# KiCad board main_VCO_board.kicad_pcb (continued)
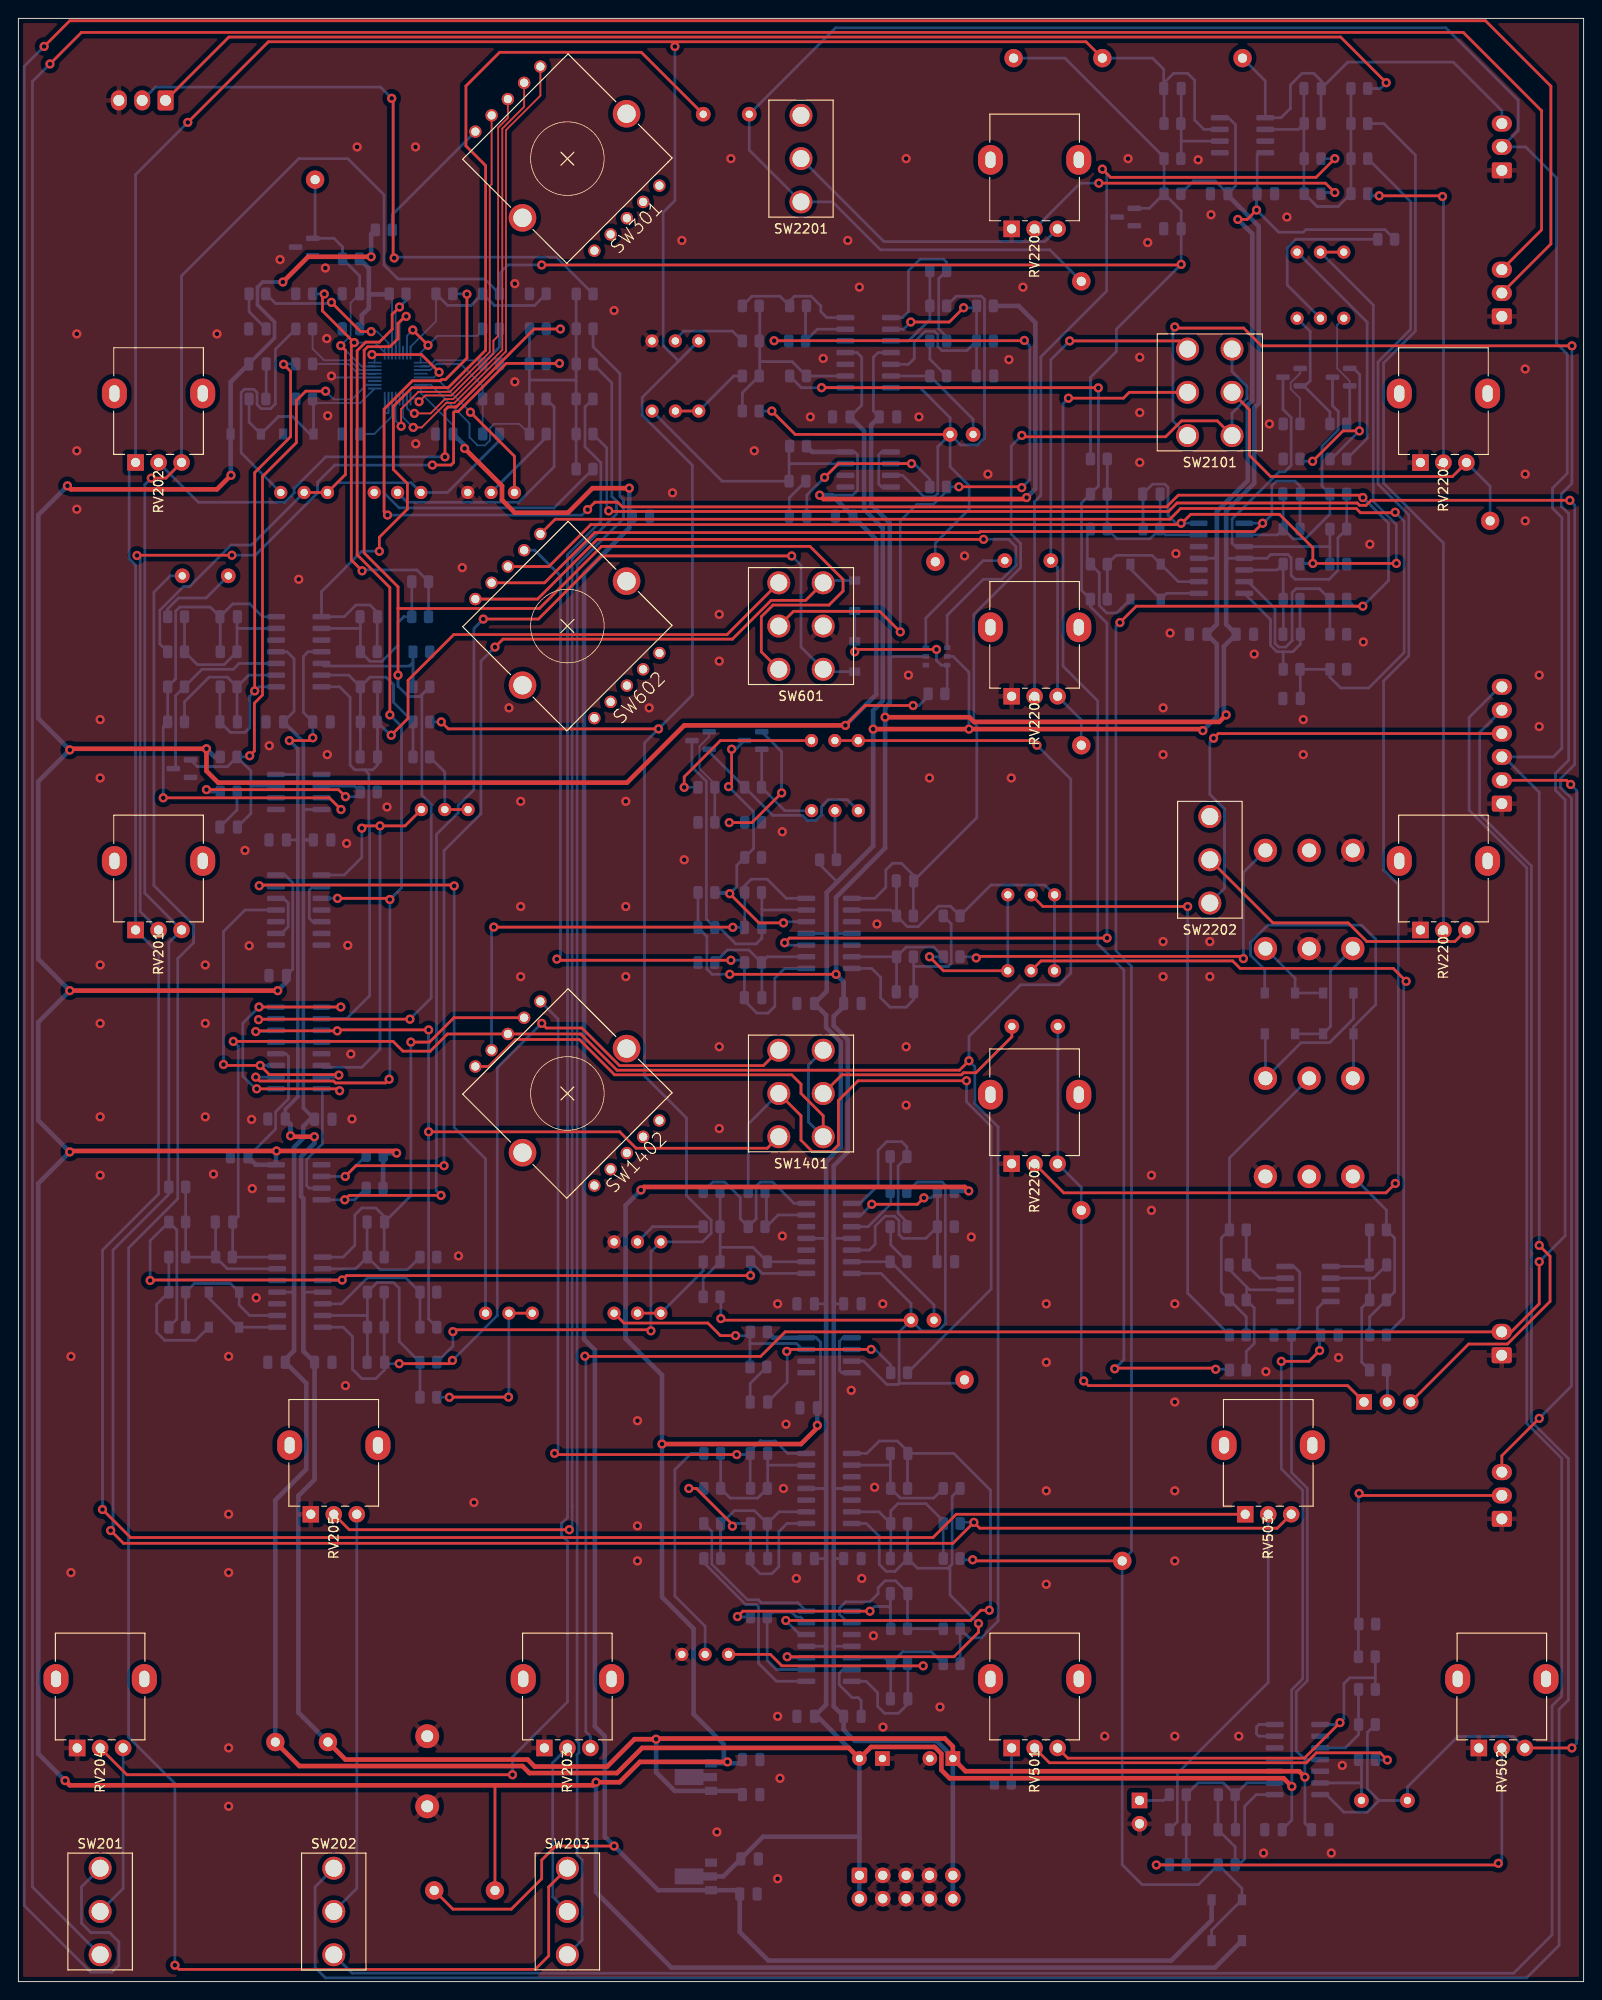
[diagram p0: board, top side]
## Placement (name value [footprint] x y rotation side) (continued)
R1907  2k2  [R_0805_2012Metric]  79.88 125.98 0 bottom
R1908  12k  [R_0805_2012Metric]  79.88 122.17 180 bottom
R1909  12k  [R_0805_2012Metric]  79.88 118.36 180 bottom
R2001  10k  [R_0805_2012Metric]  101.47 34.54 180 bottom
R2002  100k  [R_0805_2012Metric]  101.47 38.35 180 bottom
R2003  10M  [R_0805_2012Metric]  95.76 34.54 0 bottom
R2004  100k  [R_0805_2012Metric]  95.76 38.35 180 bottom
R2005  200k  [R_0805_2012Metric]  101.47 49.78 180 bottom
R2006  200k  [R_0805_2012Metric]  101.47 45.97 180 bottom
R2007  2k2  [R_0805_2012Metric]  80.52 39.62 0 bottom
R2008  100k  [R_0805_2012Metric]  95.76 49.78 0 bottom
R2009  100k  [R_0805_2012Metric]  101.47 53.59 180 bottom
R2010  100k  [R_0805_2012Metric]  95.76 53.59 0 bottom
R2011  100k  [R_0805_2012Metric]  75.44 45.97 0 bottom
R2012  100k  [R_0805_2012Metric]  75.44 49.78 0 bottom
R2013  20k  [R_0805_2012Metric]  80.52 49.78 180 bottom
R2014  220k  [R_0805_2012Metric]  75.44 57.4 0 bottom
R2015  100k  [R_0805_2012Metric]  75.44 53.59 0 bottom
R2016  180k  [R_0805_2012Metric]  80.52 53.59 180 bottom
R2101  100k  [R_0805_2012Metric]  147.83 66.46 180 bottom
R2102  100k  [R_0805_2012Metric]  147.83 74.08 0 bottom
R2103  100k  [R_0805_2012Metric]  132.59 66.46 0 bottom
R2104  330  [R_0805_2012Metric]  147.83 81.7 0 bottom
R2105  100k  [R_0805_2012Metric]  132.59 74.08 180 bottom
R2106  330  [R_0805_2012Metric]  132.59 81.7 180 bottom
R2107  100k  [R_0805_2012Metric]  147.83 70.27 0 bottom
R2108  100k  [R_0805_2012Metric]  101.47 111.38 180 bottom
R2109  100k  [R_0805_2012Metric]  132.59 70.27 180 bottom
R2110  100k  [R_0805_2012Metric]  96.39 111.38 0 bottom
R2111  100k  [R_0805_2012Metric]  101.47 115.82 0 bottom
R2112  560k  [R_0805_2012Metric]  96.39 115.82 0 bottom
R2201  100k  [R_0805_2012Metric]  145.8 205.74 180 bottom
R2202  100k  [R_0805_2012Metric]  140.72 194.31 180 bottom
R2203  100k  [R_0805_2012Metric]  140.72 198.12 180 bottom
R2204  100k  [R_0805_2012Metric]  145.8 198.12 180 bottom
R2205  100k  [R_0805_2012Metric]  145.8 194.31 180 bottom
R2206  33k  [R_0805_2012Metric]  145.8 201.93 180 bottom
R2207  82k  [R_0805_2012Metric]  140.72 201.93 0 bottom
R2301  1k8  [R_0805_2012Metric]  36.16 187.24 180 bottom
R2302  4k7  [R_0805_2012Metric]  125.48 194.31 180 bottom
R2303  10k  [R_0805_2012Metric]  125.48 198.12 180 bottom
R2304  10k  [R_0805_2012Metric]  125.48 201.93 0 bottom
REF**  -  [OSHW-Logo_5.7x6mm_SilkScreen]  51.31 40 180 bottom
RV201  10k  [Potentiometer_Alpha_RD901F-40-00D_Single_Vertical]  12.74 114.29 90 top
RV202  10k  [Potentiometer_Alpha_RD901F-40-00D_Single_Vertical]  12.74 165.1 90 top
RV203  100k  [Potentiometer_Alpha_RD901F-40-00D_Single_Vertical]  57.19 25.39 90 top
RV204  100k  [Potentiometer_Alpha_RD901F-40-00D_Single_Vertical]  6.39 25.39 90 top
RV205  100k  [Potentiometer_Alpha_RD901F-40-00D_Single_Vertical]  31.79 50.79 90 top
RV301  5k  [Potentiometer_Bourns_3296W_Vertical]  38.69 161.84 180 bottom
RV302  5k  [Potentiometer_Bourns_3296W_Vertical]  28.53 161.84 180 bottom
RV303  5k  [Potentiometer_Bourns_3296W_Vertical]  48.85 161.84 180 bottom
RV501  100k  [Potentiometer_Alpha_RD901F-40-00D_Single_Vertical]  107.99 25.39 90 top
RV502  100k  [Potentiometer_Alpha_RD901F-40-00D_Single_Vertical]  158.79 25.39 90 top
RV503  100k  [Potentiometer_Alpha_RD901F-40-00D_Single_Vertical]  133.39 50.79 90 top
RV701  50k  [Potentiometer_Bourns_3296W_Vertical]  43.81 127.38 180 bottom
RV801  50k  [Potentiometer_Bourns_3296W_Vertical]  68.9 170.69 180 bottom
RV802  5k  [Potentiometer_Bourns_3296W_Vertical]  68.89 178.31 180 bottom
RV1101  50k  [Potentiometer_Bourns_3296W_Vertical]  139.02 187.96 180 bottom
RV1102  50k  [Potentiometer_Bourns_3296W_Vertical]  139.02 180.78 180 bottom
RV1501  50k  [Potentiometer_Bourns_3296W_Vertical]  50.79 72.64 180 bottom
RV1601  50k  [Potentiometer_Bourns_3296W_Vertical]  64.77 72.64 180 bottom
RV1602  5k  [Potentiometer_Bourns_3296W_Vertical]  64.77 80.39 180 bottom
RV1901  50k  [Potentiometer_Bourns_3296W_Vertical]  86.23 134.87 180 bottom
RV1902  50k  [Potentiometer_Bourns_3296W_Vertical]  86.24 127.25 180 bottom
RV2001  50k  [Potentiometer_Bourns_3296W_Vertical]  72.13 35.56 180 bottom
RV2101  50k  [Potentiometer_Bourns_3296W_Vertical]  107.57 109.85 180 bottom
RV2102  50k  [Potentiometer_Bourns_3296W_Vertical]  107.58 118.11 180 bottom
RV2201  100k  [Potentiometer_Alpha_RD901F-40-00D_Single_Vertical]  107.99 190.49 90 top
RV2202  100k  [Potentiometer_Alpha_RD901F-40-00D_Single_Vertical]  107.99 139.69 90 top
RV2203  100k  [Potentiometer_Alpha_RD901F-40-00D_Single_Vertical]  107.99 88.89 90 top
RV2204  100k  [Potentiometer_Alpha_RD901F-40-00D_Single_Vertical]  152.44 165.09 90 top
RV2205  100k  [Potentiometer_Alpha_RD901F-40-00D_Single_Vertical]  152.44 114.29 90 top
SW201  SW_SPDT_CO  [SPDT_mini_toggle]  8.89 7.62 180 top
SW202  SW_SPDT_CO  [SPDT_mini_toggle]  34.29 7.62 180 top
SW203  SW_SPDT_CO  [SPDT_mini_toggle]  59.69 7.62 180 top
SW301  SR1712F-0204  [SR1712F_rotary_switch]  59.69 198.12 225 top
SW601  SW_DPDT_CO  [DPDT_mini_toggle]  85.09 147.32 180 top
SW602  SR1712F-0204  [SR1712F_rotary_switch]  59.69 147.32 225 top
SW1401  SW_DPDT_CO  [DPDT_mini_toggle]  85.09 96.52 180 top
SW1402  SR1712F-0204  [SR1712F_rotary_switch]  59.69 96.52 225 top
SW2101  SW_DPDT_CO  [DPDT_mini_toggle]  129.54 172.72 180 top
SW2201  SW_SPDT  [SPDT_mini_toggle]  85.09 198.12 180 top
SW2202  SW_SPDT  [SPDT_mini_toggle]  129.54 121.92 180 top
TP101  pwm_cv  [TestPoint_Keystone_5000-5004_Miniature]  120.02 45.72 180 bottom
TP102  oct_0  [TestPoint_Keystone_5000-5004_Miniature]  115.57 184.78 180 bottom
TP103  oct_1  [TestPoint_Keystone_5000-5004_Miniature]  115.57 134.37 180 bottom
TP104  oct_2  [TestPoint_Keystone_5000-5004_Miniature]  115.57 83.82 180 bottom
TP105  ring_mod  [TestPoint_Keystone_5000-5004_Miniature]  160.02 158.75 180 bottom
TP106  mix  [TestPoint_Keystone_5000-5004_Miniature]  133.1 209.04 180 bottom
TP801  anim_LFO  [TestPoint_Keystone_5000-5004_Miniature]  99.69 154.31 180 bottom
TP1601  anim_LFO  [TestPoint_Keystone_5000-5004_Miniature]  102.87 65.4 180 bottom
TP2301  V+  [TestPoint_Keystone_5000-5004_Miniature]  33.66 26.03 180 bottom
TP2302  V-  [TestPoint_Keystone_5000-5004_Miniature]  27.94 26.03 180 bottom
TP2303  GND  [TestPoint_Bridge_Pitch7.62mm_Drill1.3mm]  44.45 26.67 270 bottom
TP2304  +5_REF  [TestPoint_Keystone_5000-5004_Miniature]  108.2 209.04 180 bottom
TP2305  +2V5  [TestPoint_Keystone_5000-5004_Miniature]  32.26 195.83 180 bottom
TP2306  -5_REF  [TestPoint_Keystone_5000-5004_Miniature]  117.86 209.04 180 bottom
TP2307  +5  [TestPoint_Keystone_5000-5004_Miniature]  51.82 9.91 180 bottom
TP2308  -5  [TestPoint_Keystone_5000-5004_Miniature]  45.21 9.91 180 bottom
TR2101  Triad_TY_141P  [Triad_TY-141P]  140.33 92.84 180 bottom
TR2102  Triad_TY_141P  [Triad_TY-141P]  140.33 117.6 180 bottom
U1  TL074  [SOIC-14_3.9x8.7mm_P1.27mm]  139.06 24.13 180 bottom
U2  TL074  [SOIC-14_3.9x8.7mm_P1.27mm]  30.48 144.53 180 bottom
U3  LM311  [SOIC-8_3.9x4.9mm_P1.27mm]  30.48 129.29 180 bottom
U4  SSI2130  [PQN32_HandSoldering]  41.24 174.54 180 bottom
U5  4013  [SOIC-14_3.9x8.7mm_P1.27mm]  30.48 116.46 180 bottom
U6  TL074  [SOIC-14_3.9x8.7mm_P1.27mm]  92.39 177.04 180 bottom
U7  LM311  [SOIC-8_3.9x4.9mm_P1.27mm]  92.39 164.34 180 bottom
U8  TL074  [SOIC-14_3.9x8.7mm_P1.27mm]  130.81 154.69 180 bottom
U9  LM555xM  [SOIC-8_3.9x4.9mm_P1.27mm]  30.48 86.87 180 bottom
U10  DG413xY  [SOIC-16_3.9x9.9mm_P1.27mm]  30.48 101.47 180 bottom
U11  TL074  [SOIC-14_3.9x8.7mm_P1.27mm]  30.61 74.93 180 bottom
U12  TL074  [SOIC-14_3.9x8.7mm_P1.27mm]  88.14 80.77 180 bottom
U13  LM311  [SOIC-8_3.9x4.9mm_P1.27mm]  88.14 68.07 180 bottom
U14  TL074  [SOIC-14_3.9x8.7mm_P1.27mm]  88.14 113.92 180 bottom
U15  TL074  [SOIC-14_3.9x8.7mm_P1.27mm]  88.14 36.45 180 bottom
U16  TL074  [SOIC-14_3.9x8.7mm_P1.27mm]  88.14 53.59 180 bottom
U17  NE5532  [SOIC-8_3.9x4.9mm_P1.27mm]  140.21 75.82 180 bottom
U18  TL072  [SOIC-8_3.9x4.9mm_P1.27mm]  133.1 200.66 180 bottom
U19  DG447DV  [TSOP-6_1.65x3.05mm_P0.95mm]  99.82 144.02 180 bottom
U2301  L78L05_SOT89  [SOT-89-3]  73.66 22.22 180 bottom
U2302  L79L05_SOT89  [SOT-89-3]  73.66 11.43 180 bottom
U2303  LM4040C-2.5  [SOT-23]  31.07 188.51 180 bottom
U2304  LM4040DBZ-5  [SOT-23]  120.4 191.77 180 bottom

## Footprints (pads in the part's own frame, mm; a bottom-side part is the same pattern mirrored in y, then rotated)
C_0805_2012Metric
  rrect 1x1.45 smd: 1(-0.95,0) 2(0.95,0)
C_Radial_D6.3mm_H5.0mm_P2.50mm
  round 1.6 hole 0.8: 1(0,0) 2(2.5,0)
C_Rect_L7.0mm_W2.5mm_P5.00mm
  round 1.6 hole 0.8: 1(0,0) 2(5,0)
C_Rect_L7.2mm_W3.5mm_P5.00mm_FKS2_FKP2_MKS2_MKP2
  round 1.6 hole 0.8: 1(0,0) 2(5,0)
C_Rect_L7.2mm_W5.5mm_P5.00mm_FKS2_FKP2_MKS2_MKP2
  round 1.6 hole 0.8: 1(0,0) 2(5,0)
CP_Radial_D6.3mm_P2.50mm
  rect 1.6x1.6 hole 0.8: 1(0,0)
  round 1.6 hole 0.8: 2(2.5,0)
D_SOD-123
  rect 0.9x1.2 smd: 1(-1.65,0) 2(1.65,0)
DPDT_mini_toggle
  round 2.5 hole 1.85: 1(2.415,4.7) 2(2.415,0) 3(2.415,-4.7) 4(-2.415,4.7) 5(-2.415,0) 6(-2.415,-4.7)
IDC-Header_2x05_P2.54mm_Vertical
  rrect 1.7x1.7 hole 1: 1(0,0)
  round 1.7 hole 1: 2(2.54,0) 3(0,-2.54) 4(2.54,-2.54) 5(0,-5.08) 6(2.54,-5.08) 7(0,-7.62) 8(2.54,-7.62) 9(0,-10.16) 10(2.54,-10.16)
Molex_KK-254_AE-6410-02A_1x02_P2.54mm_Vertical
  rrect 1.74x2.19 hole 1.19: 1(0,0)
  oval 1.74x2.19 hole 1.19: 2(2.54,0)
Molex_KK-254_AE-6410-03A_1x03_P2.54mm_Vertical
  rrect 1.74x2.19 hole 1.19: 1(0,0)
  oval 1.74x2.19 hole 1.19: 2(2.54,0) 3(5.08,0)
Molex_KK-254_AE-6410-06A_1x06_P2.54mm_Vertical
  rrect 1.74x2.19 hole 1.19: 1(0,0)
  oval 1.74x2.19 hole 1.19: 2(2.54,0) 3(5.08,0) 4(7.62,0) 5(10.16,0) 6(12.7,0)
PinHeader_1x02_P2.54mm_Vertical
  rect 1.7x1.7 hole 1: 1(0,0)
  oval 1.7x1.7 hole 1: 2(0,-2.54)
PinHeader_1x03_P2.54mm_Vertical
  rect 1.7x1.7 hole 1: 1(0,0)
  oval 1.7x1.7 hole 1: 2(0,-2.54) 3(0,-5.08)
Potentiometer_Alpha_RD901F-40-00D_Single_Vertical
  oval 3.24x2.72 hole 1.8x1.1: (7.5,2.3) (7.5,-7.3)
  rect 1.8x1.8 hole 1: 1(0,0)
  round 1.8 hole 1: 2(0,-2.5) 3(0,-5)
Potentiometer_Bourns_3296W_Vertical
  round 1.44 hole 0.8: 1(0,0) 2(-2.54,0) 3(-5.08,0)
PQN32_HandSoldering
  rect 1.5x0.2 smd: 1(-2.5,1.4) 2(-2.5,1) 3(-2.5,0.6) 4(-2.5,0.2) 5(-2.5,-0.2) 6(-2.5,-0.6) 7(-2.5,-1) 8(-2.5,-1.4) 17(2.5,-1.4) 18(2.5,-1) 19(2.5,-0.6) 20(2.5,-0.2) 21(2.5,0.2) 22(2.5,0.6) 23(2.5,1) 24(2.5,1.4)
  rect 0.2x1.5 smd: 9(-1.4,-2.5) 10(-1,-2.5) 11(-0.6,-2.5) 12(-0.2,-2.5) 13(0.2,-2.5) 14(0.6,-2.5) 15(1,-2.5) 16(1.4,-2.5) 25(1.4,2.5) 26(1,2.5) 27(0.6,2.5) 28(0.2,2.5) 29(-0.2,2.5) 30(-0.6,2.5) 31(-1,2.5) 32(-1.4,2.5)
R_0805_2012Metric
  rrect 1.025x1.4 smd: 1(-0.912,0) 2(0.912,0)
SOIC-8_3.9x4.9mm_P1.27mm
  rrect 1.95x0.6 smd: 1(-2.475,1.905) 2(-2.475,0.635) 3(-2.475,-0.635) 4(-2.475,-1.905) 5(2.475,-1.905) 6(2.475,-0.635) 7(2.475,0.635) 8(2.475,1.905)
SOIC-14_3.9x8.7mm_P1.27mm
  rrect 1.95x0.6 smd: 1(-2.475,3.81) 2(-2.475,2.54) 3(-2.475,1.27) 4(-2.475,0) 5(-2.475,-1.27) 6(-2.475,-2.54) 7(-2.475,-3.81) 8(2.475,-3.81) 9(2.475,-2.54) 10(2.475,-1.27) 11(2.475,0) 12(2.475,1.27) 13(2.475,2.54) 14(2.475,3.81)
SOIC-16_3.9x9.9mm_P1.27mm
  rrect 1.95x0.6 smd: 1(-2.475,4.445) 2(-2.475,3.175) 3(-2.475,1.905) 4(-2.475,0.635) 5(-2.475,-0.635) 6(-2.475,-1.905) 7(-2.475,-3.175) 8(-2.475,-4.445) 9(2.475,-4.445) 10(2.475,-3.175) 11(2.475,-1.905) 12(2.475,-0.635) 13(2.475,0.635) 14(2.475,1.905) 15(2.475,3.175) 16(2.475,4.445)
SOT-23
  rrect 1.475x0.6 smd: 1(-0.938,0.95) 2(-0.938,-0.95) 3(0.938,0)
SOT-89-3
  rect 1.3x0.9 smd: 1(-1.65,1.5) 3(-1.65,-1.5)
  custom 4.6x1.733 smd: 2(-1.562,0)
SPDT_mini_toggle
  round 2.5 hole 1.85: 1(0,4.7) 2(0,0) 3(0,-4.7)
SR1712F_rotary_switch
  round 3 hole 2: (-8,1.1) (8,1.1)
  round 1.35 hole 0.9: 1(5,-9.15) 2(2.5,-9.15) 3(0,-9.15) 4(-2.5,-9.15) 5(-5,-9.15) 6(-5,9.15) 7(-2.5,9.15) 8(0,9.15) 9(2.5,9.15) 10(5,9.15)
TestPoint_Bridge_Pitch7.62mm_Drill1.3mm
  round 2.6 hole 1.3: 1(0,0) 1(7.62,0)
TestPoint_Keystone_5000-5004_Miniature
  round 2 hole 1: 1(0,0)
Triad_TY-141P
  round 2.54 hole 1.524: 1(-4.75,-5.334) 2(0,-5.334) 3(4.75,-5.334) 4(4.75,5.334) 5(0,5.334) 6(-4.75,5.334)
TSOP-6_1.65x3.05mm_P0.95mm
  rect 0.7x0.51 smd: 1(-1.16,0.95) 2(-1.16,0) 3(-1.16,-0.95) 4(1.16,-0.95) 5(1.16,0) 6(1.16,0.95)

## Nets
+2V5_REF: C2329.1 R303.2 R320.2 R401.2 R2301.2 RV301.3 RV302.2 RV302.3 TP2305.1 U4.23 U2303.1
+5V: C301.2 C2325.1 C2330.1 C2332.1 C2334.1 C2335.1 C2339.1 D301.1 D501.1 R316.2 R317.1 R406.2 R602.2 R603.1 R604.1 R801.1 R810.2 R1601.1 R1610.2 R2301.1 TP2307.1 U4.27 U5.14 U7.8 U9.8 U10.12 U13.8 U2301.1
+5V_REF: C2333.1 R203.1 R1004.2 R1804.2 R2005.1 R2302.2 R2303.2 RV201.3 RV202.3 RV503.3 TP2304.1 U2304.1
+15V: C2301.1 C2303.1 C2305.1 C2307.1 C2309.1 C2311.1 C2313.1 C2315.1 C2317.1 C2319.1 C2321.1 C2323.1 C2327.1 C2336.1 C2341.1 J2301.9 J2301.10 R1103.1 R1106.1 R1903.1 R1906.1 R2302.1 TP2301.1 U1.4 U2.4 U3.8 U6.4 U8.4 U10.13 U11.4 U12.4 U14.4 U15.4 U16.4 U17.8 U18.8 U19.5 U2301.3
-5V: C2326.2 C2331.2 C2342.2 D502.2 TP2308.1 U4.8 U2302.3
-5V_REF: C2338.1 R703.1 R1503.1 R2304.1 RV201.1 RV202.1 RV503.1 RV802.3 RV1602.3 TP2306.1 U18.7
-15V: C2302.2 C2304.2 C2306.2 C2308.2 C2310.2 C2312.2 C2314.2 C2316.2 C2318.2 C2320.2 C2322.2 C2324.2 C2328.2 C2337.2 C2340.2 J2301.1 J2301.2 R1105.2 R1905.2 TP2302.1 U1.11 U2.11 U3.4 U6.11 U8.11 U10.4 U11.11 U12.11 U14.11 U15.11 U16.11 U17.4 U18.4 U19.2 U2302.2
GND: C302.2 C303.2 C801.2 C1202.1 C1601.2 C2301.2 C2302.1 C2303.2 C2304.1 C2305.2 C2306.1 C2307.2 C2308.1 C2309.2 C2310.1 C2311.2 C2312.1 C2313.2 C2314.1 C2315.2 C2316.1 C2317.2 C2318.1 C2319.2 C2320.1 C2321.2 C2322.1 C2323.2 C2324.1 C2325.2 C2326.1 C2327.2 C2328.1 C2329.2 C2330.2 C2331.1 C2332.2 C2333.2 C2334.2 C2335.2 C2336.2 C2337.1 C2339.2 C2340.1 C2341.2 C2342.1 D302.2 J101.1 J102.1 J103.1 J104.1 J105.3 J106.1 J501.2 J2301.3 J2301.4 J2301.5 J2301.6 J2301.7 J2301.8 Q401.2 R202.2 R302.2 R319.1 R321.1 R322.1 R404.1 R503.2 R511.1 R704.2 R802.2 R901.1 R1102.2 R1107.2 R1108.1 R1203.2 R1206.1 R1504.2 R1602.2 R1701.1 R1902.2 R1907.2 R1908.1 RV203.1 RV204.1 RV205.1 RV301.1 RV303.1 RV502.1 RV802.1 RV1602.1 RV2001.1 RV2201.1 RV2202.1 RV2203.1 RV2204.1 RV2205.1 SW601.5 TP2303.1 TR2101.3 TR2102.2 TR2102.6 U1.2 U1.5 U1.10 U1.12 U2.3 U2.12 U3.1 U4.15 U4.16 U4.20 U5.4 U5.6 U5.7 U5.8 U5.10 U6.10 U6.12 U7.1 U7.4 U8.10 U8.12 U9.1 U9.6 U10.5 U11.10 U11.12 U12.10 U12.12 U13.1 U13.4 U14.3 U14.5 U15.3 U15.6 U16.3 U16.5 U16.10 U16.12 U17.3 U17.5 U18.3 U18.5 U19.4 U2301.2 U2302.1 U2303.2 U2304.2
/audio_mixer/OUT: C2201.2 J106.3 R2207.2 TP106.1 U18.1
/audio_mixer/RING_MOD: RV2204.3 SW2101.5 TP105.1
/EXT_AUDIO: J105.1 R2201.1
/main_VCO/EXT_CV: J105.2 R306.2
/main_VCO/lin_FM_conditioner/LIN_FM_IN: C401.2 SW203.3
/main_VCO/MOD_ENV_DOWN: J103.2 SW201.3
/main_VCO/MOD_ENV_UP: J103.3 SW201.1
/main_VCO/RIBBON_CV: J101.3 R307.2
/main_VCO/S_AND_H: J104.6 SW202.1
/main_VCO/S_AND_H_MIXER: J104.5 SW202.3
/main_VCO/VCO_core/COARSE_TUNE_IN: R304.2 RV202.2
/main_VCO/VCO_core/FINE_TUNE_IN: R305.2 RV201.2
/main_VCO/VCO_core/LIN_FM_IN: C404.1 R315.2 R409.1 U2.8
/main_VCO/VCO_core/PWM_CV_IN: R201.2 R202.1 R203.2 U4.32
/main_VCO/VCO_core/SWITCHED_OUT: R204.1 R205.1 R322.2 U4.25
/main_VCO/VCO_core/TIME_REV_IN: C403.1 Q401.1 R406.1 U3.7 U4.18
/main_VCO/VCO_core/V_PER_OCT_IN_3: R308.2 RV204.2
/main_VCO/VCO_core/V_PER_OCT_IN_4: R309.2 RV205.2
/main_VCO/VCO_core/V_PER_OCT_IN_5: R310.2 SW203.1
/MOD_OSC: J102.2 RV203.3 SW2101.1
/NOISE: J104.4 SW2202.1
/OCTAVE_0: C202.2 J104.3 J106.2 JP101.3 SW2201.1 TP102.1
/OCTAVE_1: C601.2 RV2202.3 SW2101.3 TP103.1
/OCTAVE_2: C1401.2 JP101.1 RV2203.3 TP104.1
/PWM_generator/PWM_CV_OUT: D501.2 D502.1 R201.1 R510.2 R1202.1 R2006.1 TP101.1
/PWM_LFO_SQR: J101.2 R504.1 R511.2
/PWM_LFO_TRI: C501.2 J104.2 R501.2 RV502.3 U1.7
/ring_modulator/X_IN: JP101.2 R2101.1
/sub_osc_1/basic_pulse_shaper/PULSE_OUT: C1202.2 R1205.2 R1206.2 SW602.5
/sub_osc_1/basic_pulse_shaper/SIGNAL_IN: C1001.2 R1006.1 R1201.1 RV1101.2 RV1101.3 SW602.3 U8.14
/sub_osc_1/level_shifter_1/IN: R815.2 R1001.2 R1005.2 U6.8 U14.10
/sub_osc_1/level_shifter_1/OUT: C901.2 R902.2 SW602.4 U14.8
/sub_osc_1/OCT_DWN_SAW: C701.2 R705.2 R706.2 SW601.3 U2.7 U10.2
/sub_osc_1/OCT_DWN_SQR: RV701.1 U5.1 U10.6
/sub_osc_1/passthrough_switching/SWITCH_0: D602.1 R604.2 SW601.6 U9.2
/sub_osc_1/passthrough_switching/SWITCH_1: D601.1 R603.2 SW601.4 U9.4
/sub_osc_1/passthrough_switching/SWITCH_CTL: U9.3 U10.1 U10.8 U10.9 U10.16
/sub_osc_1/saw_animator_1/RATE_R_1: R601.1 R804.2 U6.1
/sub_osc_1/saw_animator_1/RATE_R_2: R601.2 R805.1
/sub_osc_1/saw_animator_1/SAW_IN: R806.1 R807.1 SW601.2
/sub_osc_1/SAW_IN: R702.1 SW601.1 U4.29 U10.15
/sub_osc_1/SINE: C1101.2 R1109.2 SW602.2 U8.1
/sub_osc_1/SQUARE_IN: R316.1 U4.28 U5.3 U10.10
/sub_osc_1/SQUARE_OUT: U5.11 U10.7 U10.11
/sub_osc_1/STATIC_SAW_OUT: R1502.1 SW1401.1 U10.3 U10.14
/sub_osc_1/~{OUTPUT_ENABLE}: D601.2 D602.2 R602.1 U19.3
/sub_osc_2/harmonic_pulse_shaper/PULSE_OUT: C2006.2 R2016.2 SW1402.5 U16.14
/sub_osc_2/harmonic_pulse_shaper/SIGNAL_IN: C1801.2 R1806.1 R2001.1 R2002.1 RV1901.2 RV1901.3 SW1402.3 U11.14
/sub_osc_2/level_shifter_2/IN: R1615.2 R1801.2 R1805.2 U11.3 U12.8
/sub_osc_2/level_shifter_2/OUT: C1701.2 R1702.2 SW1402.4 U11.1
/sub_osc_2/octave_divider_2/OCTAVE_DOWN_SAW_OUT: C1501.2 R1505.2 R1506.2 SW1401.3 U11.7
/sub_osc_2/octave_divider_2/OCTAVE_DOWN_SQR_OUT: RV1501.1 U5.13
/sub_osc_2/saw_animator_2/RATE_R_1: R1401.1 R1604.2 U12.1
/sub_osc_2/saw_animator_2/RATE_R_2: R1401.2 R1605.1
/sub_osc_2/saw_animator_2/SAW_IN: R1606.1 R1607.1 SW1401.2
/sub_osc_2/SINE: C1901.2 R1909.2 SW1402.2 U14.14
Net-(C201-Pad1): C201.1 R204.2 R205.2 R206.1 U2.2
Net-(C201-Pad2): C201.2 C202.1 R206.2 U2.1
Net-(C301-Pad1): C301.1 R301.1
Net-(C302-Pad1): C302.1 R314.2
Net-(C303-Pad1): C303.1 U4.14
Net-(C401-Pad1): C401.1 R402.2
Net-(C402-Pad1): C402.1 R403.1 R407.2 R408.2 U2.14 U3.3
Net-(C402-Pad2): C402.2 R401.1 R402.1 R403.2 U2.13
Net-(C403-Pad2): C403.2 R405.1
Net-(C404-Pad2): C404.2 R407.1 R409.2 U2.9
Net-(C501-Pad1): C501.1 R505.2 U1.6
Net-(C502-Pad1): C502.1 R506.2 R507.2 R508.2 R509.1 U1.9
Net-(C502-Pad2): C502.2 R509.2 R510.1 U1.8
Net-(C601-Pad1): C601.1 U19.6
Net-(C701-Pad1): C701.1 R701.2 R703.2 R705.1 R706.1 U2.6
Net-(C801-Pad1): C801.1 R801.2 R802.1 U6.2 U6.5
Net-(C802-Pad1): C802.1 R805.2 U6.6
Net-(C802-Pad2): C802.2 R803.2 R813.2 TP801.1 U6.7 U7.3
Net-(C803-Pad1): C803.1 R806.2 U7.2
Net-(C803-Pad2): C803.2 R809.1
Net-(C901-Pad1): C901.1 R901.2 R902.1 U14.9
Net-(C1001-Pad1): C1001.1 R1003.1 R1004.1 R1005.1 R1006.2 U8.13
Net-(C1101-Pad1): C1101.1 Q1101.3 R1103.2 R1109.1 U8.2
Net-(C1201-Pad1): C1201.1 R1201.2 R1204.1 U8.5
Net-(C1201-Pad2): C1201.2 R1204.2 R1205.1 U8.7
Net-(C1401-Pad1): C1401.1 SW1401.5
Net-(C1501-Pad1): C1501.1 R1501.2 R1503.2 R1505.1 R1506.1 U11.6
Net-(C1601-Pad1): C1601.1 R1601.2 R1602.1 U12.2 U12.5
Net-(C1602-Pad1): C1602.1 R1605.2 U12.6
Net-(C1602-Pad2): C1602.2 R1603.2 R1613.2 TP1601.1 U12.7 U13.3
Net-(C1603-Pad1): C1603.1 R1606.2 U13.2
Net-(C1603-Pad2): C1603.2 R1609.1
Net-(C1701-Pad1): C1701.1 R1701.2 R1702.1 U11.2
Net-(C1801-Pad1): C1801.1 R1803.1 R1804.1 R1805.1 R1806.2 U11.13
Net-(C1901-Pad1): C1901.1 Q1901.3 R1903.2 R1909.1 U14.13
Net-(C2001-Pad1): C2001.1 R2001.2 R2003.1 U15.5
Net-(C2001-Pad2): C2001.2 R2003.2 RV2001.3 U15.7
Net-(C2002-Pad1): C2002.1 R2002.2 R2004.1 U15.2
Net-(C2002-Pad2): C2002.2 R2004.2 R2007.1 U15.1
Net-(C2003-Pad1): C2003.1 R2005.2 R2006.2 R2008.1 U16.6
Net-(C2003-Pad2): C2003.2 R2008.2 R2009.1 U15.10 U16.7
Net-(C2004-Pad1): C2004.1 R2009.2 R2010.1 U16.2
Net-(C2004-Pad2): C2004.2 R2010.2 U15.12 U16.1
Net-(C2005-Pad1): C2005.1 R2011.2 R2012.2 R2013.1 U16.9
Net-(C2005-Pad2): C2005.2 R2013.2 R2015.1 U16.8
Net-(C2006-Pad1): C2006.1 R2014.2 R2015.2 R2016.1 U16.13
Net-(C2101-Pad1): C2101.1 R2101.2 R2102.1 U17.2
Net-(C2101-Pad2): C2101.2 R2104.1 U17.1
Net-(C2102-Pad1): C2102.1 R2103.2 R2105.1 U17.6
Net-(C2102-Pad2): C2102.2 R2106.1 U17.7
Net-(C2103-Pad1): C2103.1 R2108.2 R2110.1 RV2101.1 RV2102.1 U14.6
Net-(C2103-Pad2): C2103.2 R2110.2 R2111.1 U14.7
Net-(C2104-Pad1): C2104.1 R2111.2 R2112.1 RV2101.3 RV2102.3 U14.2
Net-(C2104-Pad2): C2104.2 R2112.2 SW2101.4 SW2101.6 U14.1
Net-(C2201-Pad1): C2201.1 R2201.2 R2202.2 R2203.2 R2204.2 R2205.2 R2206.2 R2207.1 U18.2
Net-(C2338-Pad2): C2338.2 R2303.1 R2304.2 U18.6
Net-(D301-Pad2): D301.2 D302.1 R301.2 R302.1 U4.17
Net-(D1001-Pad1): D1001.1 R1001.1 R1002.2 U8.9
Net-(D1001-Pad2): D1001.2 D1002.1 U8.8
Net-(D1002-Pad2): D1002.2 R1002.1 R1003.2
Net-(D1801-Pad1): D1801.1 R1801.1 R1802.2 U11.9
Net-(D1801-Pad2): D1801.2 D1802.1 U11.8
Net-(D1802-Pad2): D1802.2 R1802.1 R1803.2
Net-(D2101-Pad1): D2101.1 D2103.2 TR2101.4
Net-(D2101-Pad2): D2101.2 D2102.1 TR2102.3
Net-(D2102-Pad2): D2102.2 D2104.1 TR2101.6
Net-(D2103-Pad1): D2103.1 D2104.2 TR2102.1
Net-(J501-Pad1): J501.1 R508.1
Net-(Q401-Pad3): Q401.3 R408.1 U2.10
Net-(Q1101-Pad1): Q1101.1 R1101.2 R1102.1
Net-(Q1101-Pad2): Q1101.2 R1104.1 RV1102.3
Net-(Q1102-Pad1): Q1102.1 R1107.1
Net-(Q1102-Pad2): Q1102.2 R1104.2 RV1102.1
Net-(Q1102-Pad3): Q1102.3 R1106.2 R1108.2 U8.3
Net-(Q1901-Pad1): Q1901.1 R1901.2 R1902.1
Net-(Q1901-Pad2): Q1901.2 R1904.1 RV1902.3
Net-(Q1902-Pad1): Q1902.1 R1907.1
Net-(Q1902-Pad2): Q1902.2 R1904.2 RV1902.1
Net-(Q1902-Pad3): Q1902.3 R1906.2 R1908.2 U14.12
Net-(R303-Pad1): R303.1 R304.1 R305.1 R306.1 R307.1 R308.1 R309.1 R310.1 R311.1 R312.2 U4.7
Net-(R311-Pad2): R311.2 RV301.2
Net-(R312-Pad1): R312.1 RV303.2
Net-(R313-Pad1): R313.1 RV302.1
Net-(R313-Pad2): R313.2 U4.22
Net-(R314-Pad1): R314.1 U4.26
Net-(R315-Pad1): R315.1 U4.21
Net-(R317-Pad2): R317.2 SW301.1
Net-(R318-Pad1): R318.1 R319.2 U4.2
Net-(R318-Pad2): R318.2 U4.1 U4.31
Net-(R320-Pad1): R320.1 R321.2 U4.3
Net-(R404-Pad2): R404.2 R405.2 U3.2
Net-(R501-Pad1): R501.1 R502.1 U1.3
Net-(R502-Pad2): R502.2 R504.2 RV501.3 U1.1
Net-(R503-Pad1): R503.1 RV501.1
Net-(R505-Pad1): R505.1 RV501.2
Net-(R506-Pad1): R506.1 RV502.2
Net-(R507-Pad1): R507.1 RV503.2
Net-(R701-Pad1): R701.1 RV701.2 RV701.3
Net-(R702-Pad2): R702.2 R704.1 U2.5
Net-(R803-Pad1): R803.1 R804.1 U6.3
Net-(R807-Pad2): R807.2 R808.1 U6.13
Net-(R808-Pad2): R808.2 R811.1 U6.14
Net-(R809-Pad2): R809.2 R810.1 RV801.1 U7.7
Net-(R811-Pad2): R811.2 R812.2 R813.1 R814.2 R815.1 U6.9
Net-(R812-Pad1): R812.1 RV801.2 RV801.3
Net-(R814-Pad1): R814.1 RV802.2
Net-(R1101-Pad1): R1101.1 RV1101.1
Net-(R1105-Pad1): R1105.1 RV1102.2
Net-(R1202-Pad2): R1202.2 R1203.1 U8.6
Net-(R1501-Pad1): R1501.1 RV1501.2 RV1501.3
Net-(R1502-Pad2): R1502.2 R1504.1 U11.5
Net-(R1603-Pad1): R1603.1 R1604.1 U12.3
Net-(R1607-Pad2): R1607.2 R1608.1 U12.13
Net-(R1608-Pad2): R1608.2 R1611.1 U12.14
Net-(R1609-Pad2): R1609.2 R1610.1 RV1601.1 U13.7
Net-(R1611-Pad2): R1611.2 R1612.2 R1613.1 R1614.2 R1615.1 U12.9
Net-(R1612-Pad1): R1612.1 RV1601.2 RV1601.3
Net-(R1614-Pad1): R1614.1 RV1602.2
Net-(R1901-Pad1): R1901.1 RV1901.1
Net-(R1905-Pad1): R1905.1 RV1902.2
Net-(R2007-Pad2): R2007.2 U15.9 U15.13
Net-(R2011-Pad1): R2011.1 U15.8
Net-(R2012-Pad1): R2012.1 U15.14
Net-(R2014-Pad1): R2014.1 RV2001.2
Net-(R2102-Pad2): R2102.2 R2104.2 R2107.1 TR2101.1
Net-(R2103-Pad1): R2103.1 SW2101.2
Net-(R2105-Pad2): R2105.2 R2106.2 R2109.1 TR2101.5
Net-(R2107-Pad2): R2107.2 RV2101.2
Net-(R2108-Pad1): R2108.1 TR2102.4
Net-(R2109-Pad2): R2109.2 RV2102.2
Net-(R2202-Pad1): R2202.1 RV2201.2
Net-(R2203-Pad1): R2203.1 RV2202.2
Net-(R2204-Pad1): R2204.1 RV2203.2
Net-(R2205-Pad1): R2205.1 RV2204.2
Net-(R2206-Pad1): R2206.1 RV2205.2
Net-(RV203-Pad2): RV203.2 SW203.2
Net-(RV204-Pad3): RV204.3 SW201.2
Net-(RV205-Pad3): RV205.3 SW202.2
Net-(RV303-Pad3): RV303.3 U4.6
Net-(RV2201-Pad3): RV2201.3 SW2201.2
Net-(RV2205-Pad3): RV2205.3 SW2202.2
Net-(SW301-Pad2): SW301.2 U4.13
Net-(SW301-Pad3): SW301.3 U4.9
Net-(SW301-Pad4): SW301.4 U4.10
Net-(SW301-Pad5): SW301.5 U4.11
Net-(SW602-Pad1): SW602.1 U19.1
Net-(SW1401-Pad4): SW1401.4 SW1401.6 SW1402.1
Net-(U1-Pad13): U1.13 U1.14
Net-(U4-Pad24): U4.5 U4.24
Net-(U5-Pad2): U5.2 U5.5
Net-(U5-Pad12): U5.9 U5.12

Pads without a net: SW301 6 7 8 9 10; SW602 6 7 8 9 10; SW1402 6 7 8 9 10; SW2201 3; SW2202 3; TR2101 2; TR2102 5; U3 5 6; U4 4 12 19 30; U7 5 6; U9 5 7; U13 5 6; U2303 3; U2304 3

## Via types
v1: diameter 1, hole 0.5, Top to Bottom, 380 vias

## Routing (per net, layer and track width the routed paths; a pad name or vN(x,y) marks a point on that pad's centre or on a via; arc(x,y) is an arc through that point)
+2V5_REF: length 121.4
  Top w0.3: v1(35.05,177.8) 35.56,177.29 35.56,163.79 33.6,161.84 RV302.2
  Bottom w0.2: U4.23 37.31,175.54 v1(35.05,177.8) 35.05,177.81 36.12,178.87 36.12,182.44 C2329.1
  Bottom w0.3: R320.2 52.31,167.5 46.65,161.84 RV301.3 42.7,162.91 39.84,162.91 ; R303.2 58.24,160.16 41.39,160.16 39.75,161.79 39.75,162.82 39.84,162.91 ; 39.84,162.91 34.67,162.91 33.6,161.84 ; RV302.2 25.35,156.13 23.12,156.13 18.63,151.63 17.97,151.63 15.37,149.03 15.37,145.39 R401.2 ; C2329.1 37.1,185.38 R2301.2 35.24,188.53 34.32,189.46 U2303.1 32.26,189.7 TP2305.1
+5V: length 833.2
  Top w0.3: TP2307.1 51.82,21.34 ; v1(97.28,138.68) 92.07,138.68 v1(89.92,136.52)
  Top w0.5: v1(41.12,90.04) 40.89,90.27 v1(28.07,90.27) 5.69,90.27 v1(5.59,90.17) ; v1(5.08,21.84) 5.59,21.34 62.47,21.34 v1(62.8,21.67) 65.36,21.67 67.56,23.88 v1(77.09,23.88) ; v1(28.19,107.7) v1(5.59,107.7) ; v1(86.87,60.45) 86.87,60.2 85.09,58.42 v1(69.98,58.42) ; v1(89.92,136.52) 72.39,136.52 66.17,130.3 21.72,130.3 20.45,131.57 v1(20.45,133.98) 5.72,133.98 v1(5.59,133.86) ; v1(103.33,85.93) 102.9,86.36 68.02,86.36 v1(67.69,86.03) ; v1(28.75,184.71) 31.5,187.45 v1(38.35,187.45) ; v1(5.33,162.56) 5.72,162.18 21.59,162.18 v1(23.11,163.7) ; v1(87.12,161.54) 87.54,161.12 109.45,161.12 v1(109.62,161.29)
  Bottom w0.2: U4.27 40.63,183.12 R316.2
  Bottom w0.3: C2335.1 29.83,110.03 29.83,119.42 28.98,120.27 28,120.27 ; U13.8 86.74,69.98 87.22,69.5 87.22,62.71 C2332.1 ; v1(97.28,138.68) 97.92,138.68 98.91,139.68 R602.2 ; C2334.1 27.97,92.65 27.97,94.53 29.37,95.94 29.37,100.55 29.08,100.84 U10.12 ; 78.31,23.72 C2325.1 ; U7.8 90.93,166.24 91.24,165.93 91.24,162.08 90.71,161.54 v1(87.12,161.54)
  Bottom w0.4: C301.2 27.84,178.61 27.84,180.36 25.99,182.21 25.99,184.15 26.56,184.71 v1(28.75,184.71)
  Bottom w0.5: v1(77.09,23.88) 76.71,24.26 76.71,25.78 73.41,29.08 73.41,38.35 69.98,41.78 v1(69.98,58.42) 69.98,65.91 66.01,69.88 66.01,84.35 v1(67.69,86.03) ; 38.1,183.37 40.26,183.37 R316.2 ; R603.1 R604.1 39.9,90.04 v1(41.12,90.04) ; v1(89.92,136.52) 93.27,139.88 93.27,156.73 C2339.1 88.45,161.54 v1(87.12,161.54) ; v1(62.8,21.67) 62.8,9.71 70.99,1.52 130.11,1.52 D501.1 ; C2330.1 37.34,179.85 37.34,181.1 38.1,181.86 38.1,186.21 R2301.1 37.28,187.45 v1(38.35,187.45) 38.35,189.91 R317.1 ; v1(20.45,133.98) 21.34,133.1 R406.2 ; v1(5.08,21.84) 2.16,24.76 2.16,86.74 v1(5.59,90.17) 2.16,93.6 2.16,104.27 v1(5.59,107.7) 2.16,111.12 2.16,130.43 v1(5.59,133.86) 2.16,137.29 2.16,159.38 v1(5.33,162.56) ; U7.8 86.32,166.24 R810.2 ; R1601.1 101.83,85.93 v1(103.33,85.93) ; v1(86.87,60.45) C2332.1 ; C2334.1 25.82,88.77 U9.8 28,90.21 v1(28.07,90.27) ; C301.2 23.07,173.84 D301.1 23.07,163.74 v1(23.11,163.7) ; R801.1 108.74,182.12 110.57,180.29 110.57,162.24 v1(109.62,161.29) ; U13.8 82.07,69.98 R1610.2 ; C2335.1 29.14,108.65 v1(28.19,107.7) ; U2301.1 78.31,23.72
+5V_REF: length 465.6
  Top w0.3: v1(126.43,186.63) 126.36,186.56 v1(56.9,186.56) ; v1(14.45,163.4) 16.04,163.4 RV202.3 ; RV503.3 136.88,49.28 104.52,49.28 v1(103.89,49.91) 101.61,47.63 11.42,47.63 v1(10.03,49.02)
  Bottom w0.3: R2302.2 R2303.2 124.56,198.27 113.79,209.04 TP2304.1 ; R2302.2 126.43,192.45 C2333.1 v1(126.43,186.63) 119.38,179.58 119.38,177.16 116.56,174.35 R1004.2 ; R2302.2 122.97,192.72 U2304.1 ; v1(14.45,163.4) 13.74,162.69 13.74,118.29 RV201.3 16.36,112.91 R1804.2 16.36,85.57 10.29,79.5 10.29,49.28 v1(10.03,49.02) ; R2005.1 102.51,49.91 v1(103.89,49.91) ; v1(56.9,186.56) 53.21,186.56 52.31,185.66 R203.1 50.7,185.04 41.28,185.04 39.75,186.56 39.75,194.18 35.81,198.12 30.48,198.12 17.74,185.38 RV202.3
+15V: length 691.1
  Top w0.3: v1(77.34,109.47) v1(88.9,109.47) ; 29.69,91.82 v1(29.59,91.92) ; v1(29.46,134.87) 31.7,134.87 v1(32,135.18)
  Top w0.5: v1(32.18,91.82) 29.69,91.82 ; v1(94.23,137.41) 103.4,137.41 103.91,136.91 130.56,136.91 v1(131.32,137.67) ; TP2301.1 35.56,24.13 55.37,24.13 56.13,23.37 64.01,23.37 66.99,26.35 v1(69.33,26.35) 69.4,26.42 100.73,26.42 101.6,25.55 C2311.1 102.99,22.86 139.24,22.86 v1(139.88,22.22)
  Bottom w0.3: 88.65,45.72 88.9,45.97 C2321.1 ; 88.65,36.58 88.77,36.45 U15.4 ; R1103.1 R1106.1 143.46,156.9 143.46,153.35 142.51,152.4 138.81,152.4 138.38,152.83 138.38,154.75 138.03,155.1 136.18,155.1 135.76,154.69 U8.4 131.57,154.69 131.32,154.43 ; U19.5 95,144.02 94.74,143.76 ; 78.31,20.72 C2319.1 ; C2313.1 88.9,73.66 88.65,73.91 ; v1(32,135.18) 32,136.9 30.99,137.92 30.99,144.02 31.5,144.53 32.96,144.53 ; 88.65,53.85 88.9,53.59 U16.4 ; U14.4 89.03,113.92 88.9,114.05 ; C2305.1 92.96,170.69 92.96,176.53 93.47,177.04 U6.4 ; R1906.1 R1903.1 74.85,113.59 74.85,110.05 75.43,109.47 v1(77.34,109.47) ; C2301.1 139.88,17.22 139.88,24.13 ; 139.88,24.13 U1.4 ; 139.88,24.13 138.94,25.07 138.94,31.5 140.14,32.7 140.14,53.61 138.42,55.33 C2323.1 139.32,71.17 139.32,77.09 138.68,77.72 U17.8 ; U3.8 30.35,131.19 30.38,131.22 ; U12.4 88.9,80.77 88.65,81.03 ; 30.38,102.26 30.23,102.11 U10.13 ; U18.8 131.57,202.56 132.33,201.8 132.33,195.14 C2327.1 130.11,195.71 127.79,195.71 R2302.1 ; U11.4 30.99,74.93 ; 30.38,124.05 30.35,124.08 C2336.1
  Bottom w0.4: C2341.1 29.02,94.8 30.38,96.16 30.38,133.96 v1(29.46,134.87)
  Bottom w0.5: 78.31,20.72 U2301.3 71.36,20.72 69.33,22.75 v1(69.33,26.35) ; v1(32.18,91.82) 32.18,91.11 30.73,89.66 30.73,85.34 30.99,85.09 30.99,68.52 C2309.1 32.2,54.55 30.44,52.79 30.44,29.25 TP2301.1 ; v1(29.59,91.92) 29.59,93.18 C2341.1 ; C2305.1 92.71,169.16 92.71,160.53 94.74,158.5 94.74,138.94 94.23,138.43 v1(94.23,137.41) 94.23,123.19 92.2,121.16 92.2,121.14 88.9,117.84 v1(88.9,109.47) 89.73,108.65 C2315.1 89.73,105.98 88.65,104.9 88.65,103.89 90.17,102.36 90.17,90.17 88.65,88.65 88.65,29.91 C2317.1 89.73,27.37 90.93,26.16 99.82,26.16 101.6,24.38 C2311.1 J2301.10 ; C2327.1 131.51,194.12 134.85,190.77 134.85,171.52 134.37,171.03 134.37,162.84 131.32,159.79 131.32,147.51 C2307.1 131.06,145.09 131.06,137.92 v1(131.32,137.67)
-5V: length 283.3
  Top w0.3: TP2308.1 47.24,7.87 53.59,7.87 56.9,11.18 56.9,13.21 58.42,14.73 v1(64.77,14.73)
  Top w0.5: v1(66.42,162.31) 62.42,162.31 59.75,159.64 53.97,159.64 52.58,161.04 52.58,162.56 v1(48.51,166.62)
  Bottom w0.2: U4.8 43.74,172.67 47.27,169.14 C2331.2
  Bottom w0.5: D502.2 129.73,6.67 125.35,2.29 81.53,2.29 78.43,5.39 C2326.2 78.02,9.93 U2302.3 69.57,9.93 63.75,15.75 63.75,26.67 62.68,27.74 62.68,68.64 61.5,69.82 61.5,153.07 66.42,157.99 v1(66.42,162.31) ; C2331.2 48.51,166.94 v1(48.51,166.62)
-5V_REF: length 625.2
  Top w0.3: v1(18.41,202.06) 27.18,210.82 116.08,210.82 TP2306.1 ; RV503.1 101.97,50.79 99.44,48.26 12.19,48.26 v1(9.14,51.31) ; v1(69.6,136.14) 46.74,136.14 v1(45.97,136.91) ; v1(68.77,70.72) 68.65,70.84 47.45,70.84 v1(47.24,70.64)
  Bottom w0.3: TP2306.1 123.32,209.04 124.53,207.83 C2338.1 ; v1(9.14,51.31) 9.14,79.5 15.24,85.6 15.24,111.79 RV201.1 12.74,153.94 12.04,154.64 12.04,164.4 RV202.1 12.74,196.38 v1(18.41,202.06) ; R2304.1 124.56,205.7 C2338.1 ; R703.1 v1(45.97,136.91) ; C2338.1 124.53,206.31 125.6,207.39 127.13,207.39 127.89,206.63 127.89,202.31 128.91,201.29 U18.7 ; R1503.1 47.24,69.06 v1(47.24,70.64) ; v1(68.77,70.72) 68.77,79.31 RV1602.3 74.37,80.39 75.32,81.34 75.32,82.74 72.64,85.42 72.64,93.85 68.07,98.42 68.07,134.62 v1(69.6,136.14) 73.28,139.83 73.28,164.79 67.83,170.24 67.83,172.17 RV802.3 71.78,176.12 70.1,177.8 70.1,192.28 71.38,193.56 v1(71.38,210.3)
